# Altium PCB PCB1.PcbDoc (part 2 of 3)
Units mil, origin at the board's own origin, x right, y up, seen from the top; angles counter-clockwise.
Board outline 2125.99 x 1496.06 mil, 6 copper layers (Layer 1, Layer 2, Layer 3, Layer 4, Layer 5, Layer 6), stack 32.112 mil thick; 147 components, 103 nets, 596 pads, 900 vias.
Unrouted connection lines stored in the file: 81.
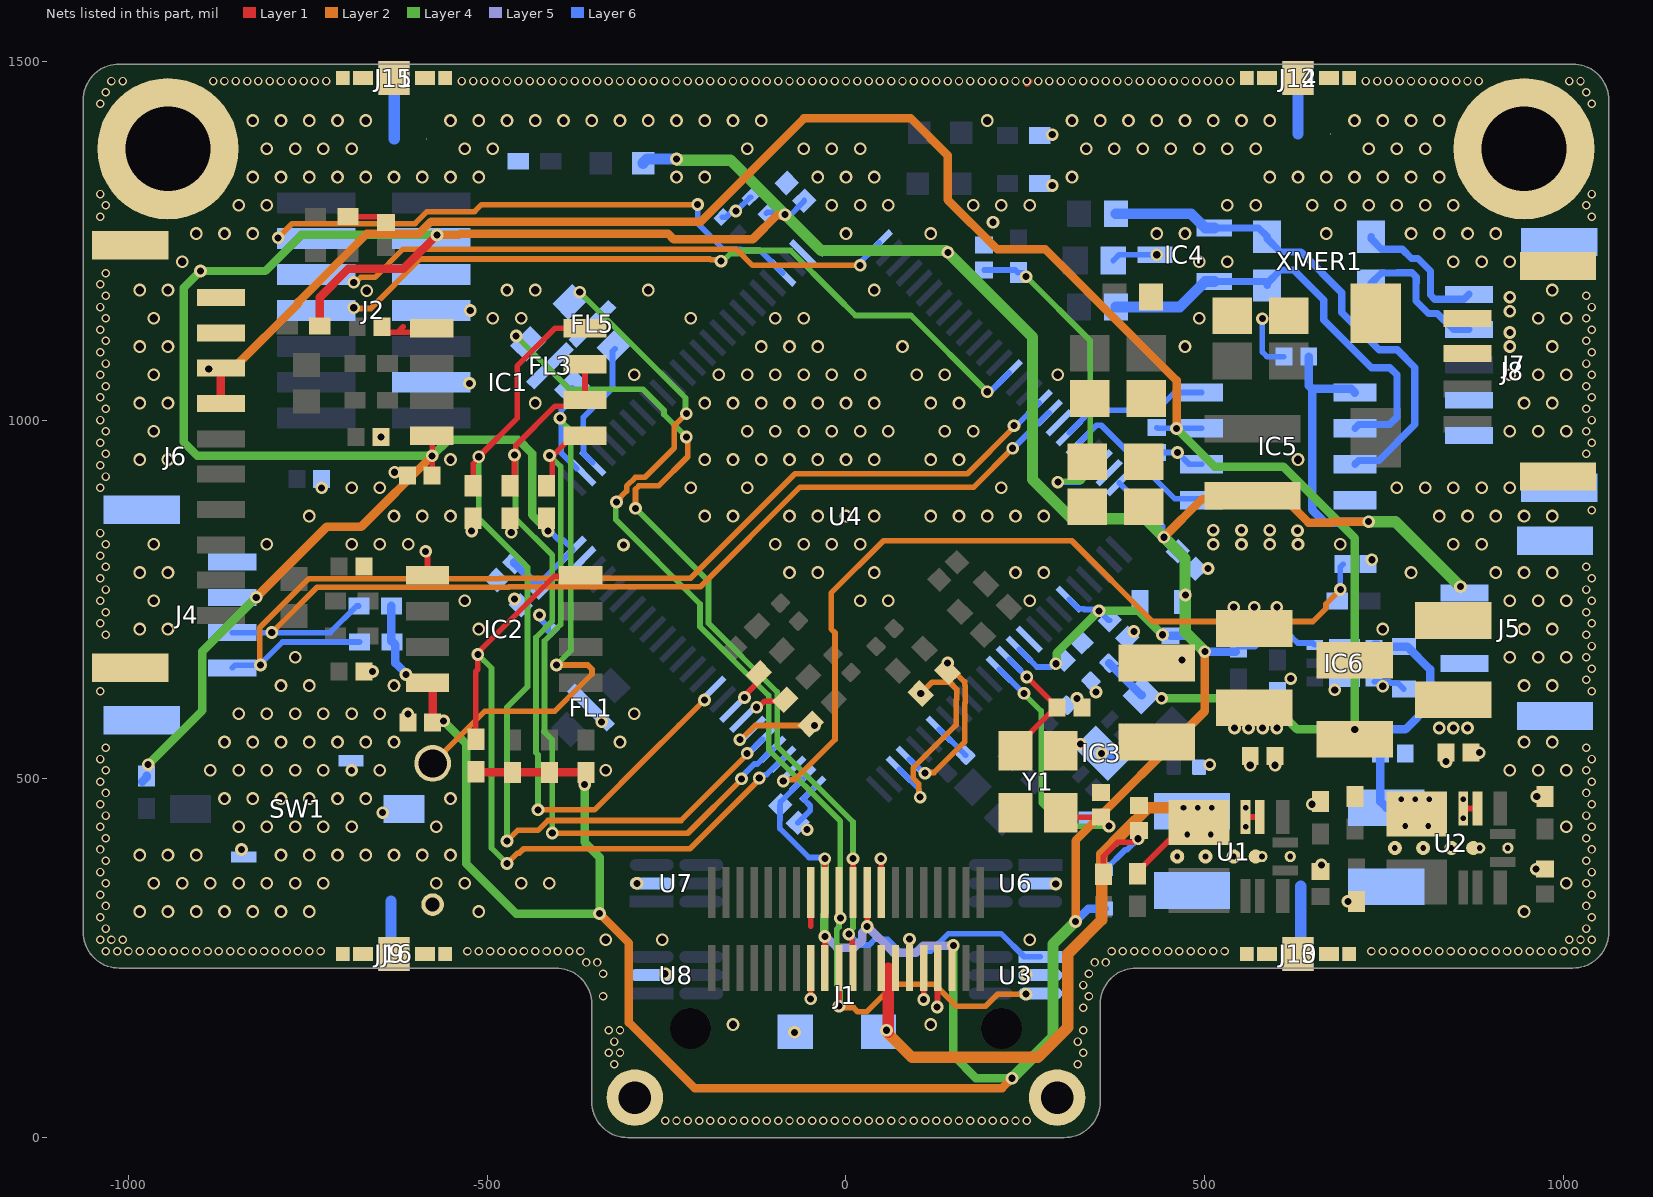
[diagram p6: the nets of this part, all layers, seen from the top]

## Part data (continued)
R14 R17: library part RQ73C1E10K5BTD, "RES 10.5 KOHMS 0.1% 1/16W 0402", Device Package="0402 (1005 Metric)", Manufacturer="TE Connectivity Passive Product", Operating Temperature="-55°C ~ 155°C", Part Number=C132157, Power (Watts)="0.063W, 1/16W", Ratings=AEC-Q200, Supplier Device Package=0402, Supplier Part Number 1=A139950CT-ND, Temperature Coefficient=±10ppm/°C, Tolerance=±0.1%, componentlink1description=Datasheet, componentlink1url=//media.digikey.com/pdf/Data%20Sheets/Tyco%20Electronics%20P%20B%20PDFs/RQ73-0618%20v2.pdf, ComponentLink2Description="DigiKey Link", ComponentLink2URL=https://www.digikey.com/en/products/detail/te-connectivity-passive-product/RQ73C1E10K5BTD/9479898, Composition="Thin Film", Features="Anti-Sulfur, Automotive AEC-Q200", Height - Seated (Max)="0.016\" (0.40mm)", lastupdated="2/9/2024 8:30:17 PM", Lifecycle Status=Active, Minimum Order=1, Number of Terminations=2, Package / Case="0402 (1005 Metric)", packaging=TapeAndReel, Part Status=Active, partid=4287, price=0.27, Resistance=12.1k, Series=RQ73, Size / Dimension="0.039\" L x 0.020\" W (1.00mm x 0.50mm)", Supplier 1=DigiKey
R15 R18: library part RQ73C1E10K5BTD, "RES 10.5 KOHMS 0.1% 1/16W 0402", Device Package="0402 (1005 Metric)", Manufacturer="TE Connectivity Passive Product", Operating Temperature="-55°C ~ 155°C", Part Number=C25744, Power (Watts)="0.063W, 1/16W", Ratings=AEC-Q200, Supplier Device Package=0402, Supplier Part Number 1=A139950CT-ND, Temperature Coefficient=±10ppm/°C, Tolerance=±0.1%, componentlink1description=Datasheet, componentlink1url=//media.digikey.com/pdf/Data%20Sheets/Tyco%20Electronics%20P%20B%20PDFs/RQ73-0618%20v2.pdf, ComponentLink2Description="DigiKey Link", ComponentLink2URL=https://www.digikey.com/en/products/detail/te-connectivity-passive-product/RQ73C1E10K5BTD/9479898, Composition="Thin Film", Features="Anti-Sulfur, Automotive AEC-Q200", Height - Seated (Max)="0.016\" (0.40mm)", lastupdated="2/9/2024 8:30:17 PM", Lifecycle Status=Active, Minimum Order=1, Number of Terminations=2, Package / Case="0402 (1005 Metric)", packaging=TapeAndReel, Part Status=Active, partid=4287, price=0.27, Resistance=10k, Series=RQ73, Size / Dimension="0.039\" L x 0.020\" W (1.00mm x 0.50mm)", Supplier 1=DigiKey
R19: library part WR04X1002FTL, "RES 10K OHM 1% 1/16W 0402", Device Package="0402 (1005 Metric)", Manufacturer="Walsin Technology Corporation", Operating Temperature="-55°C ~ 155°C", Power (Watts)="0.063W, 1/16W", Supplier Device Package=0402, Supplier Part Number 1=1292-WR04X1002FTLCT-ND, Temperature Coefficient=±100ppm/°C, Tolerance=±1%, componentlink1description=Datasheet, componentlink1url=https://www.passivecomponent.com/wp-content/uploads/chipR/ASC_WR.pdf, ComponentLink2Description="DigiKey Link", ComponentLink2URL=https://www.digikey.com/en/products/detail/walsin-technology-corporation/WR04X1002FTL/13241339, Composition="Thick Film", Height - Seated (Max)="0.016\" (0.40mm)", lastupdated="2/9/2024 8:28:51 PM", Lifecycle Status=Active, Minimum Order=1, Number of Terminations=2, Package / Case="0402 (1005 Metric)", packaging=CutTape, Part Number=WR04X1002FTL, Part Status=Active, partid=67325, price=0.01, Resistance="10 kOhms", Series=WR, Size / Dimension="0.039\" L x 0.020\" W (1.00mm x 0.50mm)", Supplier 1=DigiKey
R20 R21 R22: library part "WR04X102 JTL", "RES 1K OHM 5% 1/16W 0402", Device Package="0402 (1005 Metric)", Manufacturer="Walsin Technology Corporation", Operating Temperature="-55°C ~ 155°C", Power (Watts)="0.063W, 1/16W", Supplier Device Package=0402, Supplier Part Number 1=1292-WR04X102JTLCT-ND, Temperature Coefficient=±100ppm/°C, Tolerance=±5%, componentlink1description=Datasheet, componentlink1url=https://www.passivecomponent.com/wp-content/uploads/chipR/ASC_WR.pdf, ComponentLink2Description="DigiKey Link", ComponentLink2URL=https://www.digikey.com/en/products/detail/walsin-technology-corporation/WR04X102-JTL/13238927, Composition="Thick Film", Height - Seated (Max)="0.016\" (0.40mm)", lastupdated="2/9/2024 8:28:50 PM", Lifecycle Status=Active, Minimum Order=1, Number of Terminations=2, Package / Case="0402 (1005 Metric)", packaging=CutTape, Part Number="WR04X102 JTL", Part Status=Active, partid=68140, price=0.01, Resistance="1 kOhms", Series=WR, Size / Dimension="0.039\" L x 0.020\" W (1.00mm x 0.50mm)", Supplier 1=DigiKey
R23 R24 R30 R31 R32 R33: library part WR04X1500FTL, "RES 150 OHM 1% 1/16W 0402", Device Package="0402 (1005 Metric)", Manufacturer="Walsin Technology Corporation", Operating Temperature="-55°C ~ 155°C", Power (Watts)="0.063W, 1/16W", Resistance="150 Ohms", Supplier Device Package=0402, Supplier Part Number 1=1292-WR04X1500FTLCT-ND, Temperature Coefficient=±100ppm/°C, Tolerance=±1%, componentlink1description=Datasheet, componentlink1url=https://www.passivecomponent.com/wp-content/uploads/chipR/ASC_WR.pdf, ComponentLink2Description="DigiKey Link", ComponentLink2URL=https://www.digikey.com/en/products/detail/walsin-technology-corporation/WR04X1500FTL/13238657, Composition="Thick Film", Height - Seated (Max)="0.016\" (0.40mm)", lastupdated="2/9/2024 8:28:55 PM", Lifecycle Status=Active, Minimum Order=1, Number of Terminations=2, Package / Case="0402 (1005 Metric)", packaging=CutTape, Part Number=WR04X1500FTL, Part Status=Active, partid=64765, price=0.01, Series=WR, Size / Dimension="0.039\" L x 0.020\" W (1.00mm x 0.50mm)", Supplier 1=DigiKey
R25 R26: library part RMCF0603JT560R, "RES 560 OHM 5% 1/10W 0603", Device Package="0603 (1608 Metric)", Manufacturer="Stackpole Electronics Inc", Operating Temperature="-55°C ~ 155°C", Power (Watts)="0.1W, 1/10W", Ratings=AEC-Q200, Resistance="560 Ohms", Supplier Device Package=0603, Supplier Part Number 1=RMCF0603JT560RCT-ND, Temperature Coefficient=±200ppm/°C, Tolerance=±5%, componentlink1description=Datasheet, componentlink1url=https://www.seielect.com/catalog/sei-rmcf_rmcp.pdf, ComponentLink2Description="DigiKey Link", ComponentLink2URL=https://www.digikey.com/en/products/detail/stackpole-electronics-inc/RMCF0603JT560R/1712305, Composition="Thick Film", Features="Automotive AEC-Q200", Height - Seated (Max)="0.022\" (0.55mm)", lastupdated="2/9/2024 8:43:32 PM", Lifecycle Status=Active, Minimum Order=1, Number of Terminations=2, Package / Case="0603 (1608 Metric)", packaging=CutTape, Part Number=RMCF0603JT560R, Part Status=Active, partid=5967, price=0.01, Series=RMCF, Size / Dimension="0.061\" L x 0.031\" W (1.55mm x 0.80mm)", Supplier 1=DigiKey
R29 R40 R41 R42: library part WR04X1000FTL, "RES 100 OHM 1% 1/16W 0402", Device Package="0402 (1005 Metric)", Manufacturer="Walsin Technology Corporation", Operating Temperature="-55°C ~ 155°C", Power (Watts)="0.063W, 1/16W", Supplier Device Package=0402, Supplier Part Number 1=1292-WR04X1000FTLCT-ND, Temperature Coefficient=±100ppm/°C, Tolerance=±1%, componentlink1description=Datasheet, componentlink1url=https://www.passivecomponent.com/wp-content/uploads/chipR/ASC_WR.pdf, ComponentLink2Description="DigiKey Link", ComponentLink2URL=https://www.digikey.com/en/products/detail/walsin-technology-corporation/WR04X1000FTL/13241075, Composition="Thick Film", Height - Seated (Max)="0.016\" (0.40mm)", lastupdated="2/9/2024 8:28:55 PM", Lifecycle Status=Active, Minimum Order=1, Number of Terminations=2, Package / Case="0402 (1005 Metric)", packaging=CutTape, Part Number=WR04X1000FTL, Part Status=Active, partid=64787, price=0.01, Resistance="100 Ohms", Series=WR, Size / Dimension="0.039\" L x 0.020\" W (1.00mm x 0.50mm)", Supplier 1=DigiKey
R34 R35: library part WR04X1500FTL, "RES 150 OHM 1% 1/16W 0402", Device Package="0402 (1005 Metric)", Manufacturer="Walsin Technology Corporation", Operating Temperature="-55°C ~ 155°C", Power (Watts)="0.063W, 1/16W", Supplier Device Package=0402, Supplier Part Number 1=1292-WR04X1500FTLCT-ND, Temperature Coefficient=±100ppm/°C, Tolerance=±1%, componentlink1description=Datasheet, componentlink1url=https://www.passivecomponent.com/wp-content/uploads/chipR/ASC_WR.pdf, ComponentLink2Description="DigiKey Link", ComponentLink2URL=https://www.digikey.com/en/products/detail/walsin-technology-corporation/WR04X1500FTL/13238657, Composition="Thick Film", Height - Seated (Max)="0.016\" (0.40mm)", lastupdated="2/9/2024 8:28:55 PM", Lifecycle Status=Active, Minimum Order=1, Number of Terminations=2, Package / Case="0402 (1005 Metric)", packaging=CutTape, Part Number=WR04X1500FTL, Part Status=Active, partid=64765, price=0.01, Resistance="150 Ohms", Series=WR, Size / Dimension="0.039\" L x 0.020\" W (1.00mm x 0.50mm)", Supplier 1=DigiKey
R37 R38 R39 R44: library part "WR04X102 JTL", "RES 1K OHM 5% 1/16W 0402", Device Package="0402 (1005 Metric)", Manufacturer="Walsin Technology Corporation", Operating Temperature="-55°C ~ 155°C", Power (Watts)="0.063W, 1/16W", Resistance="1 kOhms", Supplier Device Package=0402, Supplier Part Number 1=1292-WR04X102JTLCT-ND, Temperature Coefficient=±100ppm/°C, Tolerance=±5%, componentlink1description=Datasheet, componentlink1url=https://www.passivecomponent.com/wp-content/uploads/chipR/ASC_WR.pdf, ComponentLink2Description="DigiKey Link", ComponentLink2URL=https://www.digikey.com/en/products/detail/walsin-technology-corporation/WR04X102-JTL/13238927, Composition="Thick Film", Height - Seated (Max)="0.016\" (0.40mm)", lastupdated="2/9/2024 8:28:50 PM", Lifecycle Status=Active, Minimum Order=1, Number of Terminations=2, Package / Case="0402 (1005 Metric)", packaging=CutTape, Part Number="WR04X102 JTL", Part Status=Active, partid=68140, price=0.01, Series=WR, Size / Dimension="0.039\" L x 0.020\" W (1.00mm x 0.50mm)", Supplier 1=DigiKey
R43: library part SR731JRTTD1R10F, "RES 1.1 OHM 1% 1/5W 0603", Device Package="0603 (1608 Metric)", Manufacturer="KOA Speer Electronics, Inc.", Operating Temperature="-55°C ~ 155°C", Power (Watts)="0.2W, 1/5W", Ratings=AEC-Q200, Supplier Device Package=0603, Supplier Part Number 1=2019-SR731JRTTD1R10FCT-ND, Temperature Coefficient=±200ppm/°C, Tolerance=±1%, componentlink1description=Datasheet, componentlink1url=https://www.koaspeer.com/pdfs/SR73-RT.pdf, ComponentLink2Description="DigiKey Link", ComponentLink2URL=https://www.digikey.com/en/products/detail/koa-speer-electronics-inc/SR731JRTTD1R10F/13426422, Composition="Thick Film", Features="Anti-Sulfur, Automotive AEC-Q200, Current Sense, Moisture Resistant", Height - Seated (Max)="0.022\" (0.55mm)", lastupdated="2/9/2024 8:41:12 PM", Lifecycle Status=Active, Minimum Order=1, Number of Terminations=2, Package / Case="0603 (1608 Metric)", packaging=TapeAndReel, Part Number=SR731JRTTD1R10F, Part Status=Active, partid=67152, price=0.09, Resistance="1.1 Ohms", Series=SR73-RT, Size / Dimension="0.063\" L x 0.031\" W (1.60mm x 0.80mm)", Supplier 1=DigiKey
R?: library part WR04X1000FTL, "RES 100 OHM 1% 1/16W 0402", Device Package="0402 (1005 Metric)", Manufacturer="Walsin Technology Corporation", Operating Temperature="-55°C ~ 155°C", Power (Watts)="0.063W, 1/16W", Resistance="100 Ohms", Supplier Device Package=0402, Supplier Part Number 1=1292-WR04X1000FTLCT-ND, Temperature Coefficient=±100ppm/°C, Tolerance=±1%, componentlink1description=Datasheet, componentlink1url=https://www.passivecomponent.com/wp-content/uploads/chipR/ASC_WR.pdf, ComponentLink2Description="DigiKey Link", ComponentLink2URL=https://www.digikey.com/en/products/detail/walsin-technology-corporation/WR04X1000FTL/13241075, Composition="Thick Film", Height - Seated (Max)="0.016\" (0.40mm)", lastupdated="2/9/2024 8:28:55 PM", Lifecycle Status=Active, Minimum Order=1, Number of Terminations=2, Package / Case="0402 (1005 Metric)", packaging=CutTape, Part Number=WR04X1000FTL, Part Status=Active, partid=64787, price=0.01, Series=WR, Size / Dimension="0.039\" L x 0.020\" W (1.00mm x 0.50mm)", Supplier 1=DigiKey
SW1: library part CMP-10040-000025-1, "TACT 6.0 X 3.5, 2.5 MM H, 250GF,"
U1 U2: "No Description Available", Mfr_Name="Texas Instruments", RefDes=RefDes, Type=TYPE
U3 U6 U7 U8: library part CMP-14432-000006-1, "TVS DIODE 3.3VWM 12VC 6TSSOP", RoHS Compliant=Yes
U4: "No Description Available", Mfr_Name=STMicroelectronics, RefDes=RefDes, Type=Type
XMER1: "No Description Available", Mfr_Name=Coilcraft, RefDes=RefDes, Type=Type
Y1: library part CMP-200220-000002-1, "CRYSTAL 25.0000MHZ 8PF SMD", Frequency=25MHz, Load Capacitance=8pF, Manufacturer=NDK, Package=NX3225SA, Temperature="-40°C to +125°C", Temperature Range High=+125°C, Temperature Range Low=-40°C, Tolerance=15ppm, Automotive=Yes, Automotive Grade="Grade 1", Category=Crys, ComponentLink2Description=Datasheet, ComponentLink2URL=https://www.ndk.com/images/products/catalog/c_NX3225SA-STD-CRS-2_e.pdf, Device Class L1="Passive Components", Device Class L2="Crystals / Oscillators", Device Class L3=Crystals, Digikey Description="CRYSTAL 25.0000MHZ 8PF SMD", Esr=100Ω, Height=0.6mm, Lead Free=Yes, Manufacturer Part Number=NX3225SA-25.000M-STD-CRS-2, Octopart=https://octopart.com/nx3225sa-25.000m-std-crs-2-ndk-51374293, RoHS=TRUE, Series=NX3225SA

## Free pads (board coordinates)
  round 196.85 hole 118.11: 2(-944.88,1377.95) 2(944.88,1377.95)

## Via types
v1: diameter 17.72, hole 11.81, Layer 1 to Layer 6, tented both sides, 337 vias
v2: diameter 11.81, hole 7.87, Layer 1 to Layer 6, tented both sides, 319 vias
v3: diameter 17.72, hole 9.84, Layer 1 to Layer 6, tented both sides, 244 vias

## Nets (pads, with @x,y where several pads share a name; then routed paths per layer and width w, separated by ;. In a path a pad name is that pad's centre, name@x,y a point inside that pad or via, vN(x,y) a via of type N, cw(c..) or ccw(c..) an arc to the next point about the centre after c; other vN are vias at no path point)
3V: C2.2 C5.2 C19.2 C21.2 C22.2 C23.2 C26.2 C27.2 C28.2 C29.2 C30.2 C31.2 C38.2 D6.1 D7.1 IC1.8 IC2.8 IC5.5 IC6.6 J1.06 J1.17 J1.23 J1.24 J2.3 J4.3 J5.1 R2.2 R8.2 R9.2 R10.2 R11.2 R19.2 R27.2 R28.2 R39.1 R?.2 U4.6 U4.11 U4.27 U4.50 U4.75 U4.100 | length 9082.8
  Layer 1 w7.87: IC1.8@-577.26,977.92 -576.73,977.39 v3(-576.73,950.08) C2.2@-576.73,922.77 ; J1.24@-29.53,236.22 v3(-29.53,280.12) ; J1.23@-29.53,341.54 v3(-29.53,388.78) ; v3(29.53,294.29) J1.17@29.53,341.54
  Layer 1 w11.81: R?.2@-733.42,1131.15 -733.42,1170.98 -693.77,1210.63 -617.13,1210.63 v3(-569.88,1257.87) ; IC2.8@-583.15,633.66 -576.01,626.53 -576.01,577.7 -581.92,571.8 C5.2@-582.09,571.8 ; R11.2@-515.75,509.84 -514.76,508.86 R10.2@-464.57,508.86 R9.2@-413.39,508.86 R8.2@-362.2,508.86
  Layer 4 w11.81: v3(-972.44,519.69) -896.96,595.17 -896.96,677.85 v3(-821.85,752.95) ; v3(-899.61,1207.68) -923.23,1184.06 -923.23,969.49 -903.82,950.08 v3(-576.73,950.08) -554.36,972.44 -456.65,972.44 -437.55,953.34 -437.55,867.67 v3(-415.35,845.47) ; v3@-898.62,1208.51 -897.79,1207.68 -809.06,1207.68 -758.86,1257.87 v3(-569.88,1257.87) ; v3(-613.17,645.47) v3@-613.17,646.54 ; v3(-561.02,580.71) -529.53,549.21 -529.53,381.89 -459.83,312.19 v3(-343.5,312.19) -343.5,390.63 -364.17,411.3 v3(-364.17,492.13) ; v3(-29.53,280.12) -30.28,280.87 -30.28,296.23 -30.64,296.58 -30.64,311.26 -29.53,312.37 v3@-29.53,387.8 ; v3(149.53,267.56) 149.61,267.48 149.61,114.17 181.1,82.68 v3(231.3,82.68) ; 287.4,268.7 v3(319.88,301.18) ; v3(292.38,660.31) 293.51,661.44 293.51,675.14 v3(352.49,734.12) 407.61,734.12 v3(440.94,700.79)
  Layer 4 w15.75: v3(-236.22,1363.66) -234.77,1362.2 -160.94,1362.2 v3(-84.94,1286.21) -34.96,1236.22 139.39,1236.22 259.84,1115.77 259.84,917.32 314.96,862.2 417.32,862.2 v3(442.91,836.61) 472.53,807 472.53,756.41 v3(472.91,756.03) 472.91,704.26 v3(500,677.17) ; v3(231.3,82.68) 288.39,139.76 288.39,269.69 v3(319.88,301.18) ; v3(728.35,858.27) 765.75,858.27 v3(856.3,767.72)
  Layer 2 w11.81: v3(-821.85,752.95) -723.55,851.25 -675.56,851.25 v3(-576.73,950.08) ; v3(-569.88,1257.87) -539.37,1257.87 -537.4,1259.84 -248.03,1259.84 -240.16,1251.97 -129.92,1251.97 -96.36,1285.53 -85.62,1285.53 v3(-84.94,1286.21) ; v3(-343.5,312.19) -302.47,271.16 -302.47,160.29 -211.08,68.9 217.52,68.9 v3(231.3,82.68) ; v3(319.88,301.18) 319.88,413.98 500,594.1 v3(500,677.17) ; v3(442.91,836.61) 496.06,889.76 611.67,889.76 644.42,857.02 677.08,857.02 678.33,858.27 v3(728.35,858.27)
  Layer 5 w11.81: v3(-29.53,280.12) -27.93,280.12 -12.58,264.76 11.68,264.76 22.64,275.72 22.64,285.8 29.53,292.69 v3(29.53,294.29) 65.95,257.87 97.72,257.87 107.4,267.56 v3(149.53,267.56)
  Layer 6 w7.87: C29.2@-428.7,766.19 -428.7,771.51 U4.50@-380.58,819.63 -393.49,832.54 -399.76,832.54 -412.69,845.47 v3(-415.35,845.47) ; C23.2@-110.91,1288.08 -109.52,1289.47 -88.2,1289.47 v3@-81.06,1282.33 ; U4.27@-60.43,499.48 -60.43,498.69 -91.51,467.61 C31.2@-91.51,463.19 -92.07,462.63 -92.07,442.83 -92.15,442.75 -92.15,430.77 -51.66,390.29 -31.03,390.29 v3(-29.53,388.78) ; C26.2@-58.11,1305.83 -58.11,1305.28 v3@-81.06,1282.33 ; U4.75@-46.51,1246.72 -73.92,1274.13 -73.92,1275.18 v3@-81.06,1282.33 ; U4.11@241.39,680.43 266,655.82 285.23,655.82 289.71,660.31 v3(292.38,660.31) ; U4.6@310.98,750.03 324.06,736.95 331.24,736.95 332.19,736 350.6,736 365.69,720.91 C21.2@367.67,720.91 ; U4.100@380.58,912.65 441.41,851.83 441.41,838.12 v3(442.91,836.61) ; R39.1@547.24,684.06 569.88,684.06 583.66,697.83 621.06,697.83 629.64,689.26 650.64,689.26 IC6.6@653.26,686.65
  Layer 6 w11.81: R19.2@-980.56,496.05 -974.65,501.95 R19.2@-974.65,504 ; R28.2@-633.56,740.85 -633.56,691.63 R27.2@-632.66,690.73 ; R27.2@-631.68,690.73 -627.84,686.89 -627.84,661.21 -613.17,646.54 v3(-613.17,645.47) ; C30.2@-462.18,801.56 -462.18,800.62 -428.7,767.13 C29.2@-428.7,766.19 ; v3@320.64,301.93 337.87,319.17 360.45,319.17 D6.1@360.51,319.22 ; C28.2@452.44,699.38 477.79,699.38 v3(500,677.17) R39.1@543.31,677.17 ; C38.2@644.91,1088.35 644.91,1048.01 649.61,1043.31 ; IC5.5@709.14,1038.32 704.15,1043.31 649.61,1043.31 ; v3(728.35,858.27) 687.38,858.27 686.13,857.02 667.61,857.02 649.61,875.02 649.61,1043.31
  Layer 6 w15.75: D7.1@-282.78,1358.02 -277.15,1363.66 v3(-236.22,1363.66) ; v3(442.91,836.61) C22.2@462.6,816.93
  other v3: 141.95,1233.66
12V: C9.2 C10.2 C11.2 D5.1 J1.14 J1.16 R13.1 U1.4 | length 934.2
  Layer 1 w7.87: J1.16@49.21,236.22 59.06,236.22 J1.14@68.9,236.22 ; R13.1@406.52,367.71 406.52,370.66 455.98,420.12 473.53,420.12 U1.4@475.79,422.38
  Layer 1 w15.75: v3(56.41,149.61) 59.06,146.96 59.06,236.22
  Layer 2 w15.75: v3(56.41,149.61) 56.41,147.33 91.93,111.81 267.32,111.81 309.06,153.54 309.06,255.91 356.3,303.15 356.3,394.72 387.07,425.49 421.32,459.78 U1.4@470.28,459.78 ; U1.4@470.47,459.65 470.61,459.78 U1.4@489.96,459.78 U1.4@509.65,459.78
+5V: C15.2 C16.2 C17.2 C20.2 C36.2 C39.2 FB1.1 IC5.3 IC6.1 IC6.2 J6.3 J6.4 R16.1 U2.4 | length 3154.9
  Layer 1 w11.81: J6.4@-871.32,1022.98 J6.3@-871.32,1072.2
  Layer 4 w11.81: v3@440.94,612.2 585.5,612.2 628.78,568.93 v3(708.99,568.93) 708.99,835.43 609.38,935.04 513.78,935.04 v3(460.63,988.19)
  Layer 2 w11.81: v3(-888.06,1070.87) -854.59,1070.87 -763.08,1162.38 -763.08,1164.54 -667.77,1259.84 -594.94,1259.84 -578.2,1276.57 -202.31,1276.57 -58.61,1420.28 90.42,1420.28 141.82,1368.88 141.82,1306.84 210.47,1238.19 277.56,1238.19 460.63,1055.12 v3(460.63,988.19)
  Layer 6 w7.87: C39.2@433.07,989.37 434.12,988.32 IC5.3@495.6,988.32 ; IC6.2@735.93,661.06 IC6.1@735.93,686.65
  Layer 6 w11.81: C36.2@366.51,661.22 410.48,617.25 411.5,617.25 FB1.1@412.19,616.56 ; v3(708.99,568.93) 779.56,568.93 813.98,603.35 813.98,652.55 782.23,684.3 C20.2@777.3,684.3 743.2,684.3 740.86,686.65 IC6.1@735.93,686.65 ; C15.2@744.72,535.4 744.72,468.18 C16.2@753.07,459.84
  other v3: 439.96,612.2
+24V: C7.2 C8.2 C13.2 C14.2 C46.2 C47.2 C48.2 C49.2 L1.1 U1.2 U1.3 U2.2 U2.3 | length 39.4
  Layer 1 w7.87: U1.3@556.89,446.79 U1.2@576.58,446.79 ; U2.3@860.24,458.66 U2.2@879.92,458.66
  other v3: 563.39,518.9 836.2,523.85 541.34,570.87 561.02,570.87 580.71,570.87 600.39,570.87 826.77,570.87 846.46,570.87 866.14,570.87 511.81,826.77 551.18,826.77 590.55,826.77 629.92,826.77 511.81,846.46 551.18,846.46 590.55,846.46 629.14,845.84
ADC0: C40.2 R29.1 U4.28 | length 1148.1
  Layer 2 w7.87: v3(-87.46,496.91) -85.58,498.79 -71.12,498.79 -15.28,554.63 -15.28,703.55 -20.67,708.94 -20.67,758.86 52.17,831.69 314.56,831.69 427.04,719.22 650.65,719.22 668.87,737.44 668.87,743.68 v3(688.98,763.78)
  Layer 6 w7.87: v3(688.98,763.78) 688.98,795.28 C40.2@692.91,799.21
CAN_N: J7.2 XMER1.3 | length 198.2
  Layer 6 w10: XMER1.3@731.95,1187.53 731.95,1190.53 746.45,1205.03 767.52,1205.03 767.77,1205.28 788.84,1205.28 794.7,1199.42 794.7,1191.14 794.37,1190.81 794.37,1165.96 811.95,1148.39 824.06,1148.39 846.46,1125.98 J7.2@868.11,1125.98
CAN_P: J7.1 XMER1.2 | length 196.9
  Layer 6 w10: XMER1.2@731.95,1255.53 731.95,1252.53 746.45,1238.03 775.3,1238.03 788.05,1225.28 797.13,1225.28 814.7,1207.71 814.7,1182.85 814.37,1182.53 814.37,1174.24 820.23,1168.39 861.3,1168.39 J7.1@868.11,1175.2
CAN_S_N: IC4.2 IC5.6 R26.1 XMER1.4 | length 618.9
  Layer 6 w10: IC4.2@513.41,1192.91 584.56,1192.91 XMER1.4@586.95,1190.53 ; XMER1.4@586.95,1187.53 XMER1.4@586.95,1190.53 ; IC5.6@709.14,988.32 714.43,993.62 757.4,993.62 767.72,1003.94 767.72,1062.99 757.87,1072.83 732.37,1072.83 665.86,1139.34 665.86,1167.11 623.95,1209.03 605.45,1209.03 XMER1.4@586.95,1190.53
  Layer 6 w15: R26.1@375.98,1157.48 465.18,1157.48 500.61,1192.91 IC4.2@513.41,1192.91
CAN_S_P: IC4.1 IC5.7 R25.2 XMER1.1 | length 709.8
  Layer 6 w10: IC4.1@513.41,1267.72 574.95,1267.72 586.95,1255.72 586.95,1252.53 605.45,1234.03 634.3,1234.03 690.86,1177.47 690.86,1149.7 742.73,1097.83 768.23,1097.83 792.72,1073.35 792.72,993.58 742.75,943.62 714.43,943.62 IC5.7@709.14,938.32
  Layer 6 w15: R25.2@375.98,1287.4 480.92,1287.4 500.61,1267.72 IC4.1@513.41,1267.72
CHASSIS: J1.S1 J1.S2 J4.5 J4.6 J5.4 J5.5 J6.MP1 J6.MP2 J7.6 J7.7 J8.5 J8.6 J9.1 J10.1 J11.1 J12.1 J13.1 J14.1 J15.1 J16.1 JP1.1 JP2.1 JP3.1 JP4.1 pad.2 | length 339.4
  Layer 1 w7.87: v2@251.97,1468.02 v2@255.91,1471.96
  Layer 6 w15.75: JP3.1@-633.99,329.43 -633.99,259.97 J9.1@-629.92,255.91 ; J11.1@-629.92,1476.38 -629.46,1475.92 JP2.1@-629.46,1391.69 ; J10.1@629.92,255.91 633.66,259.65 JP1.1@633.66,350.33 ; J12.1@629.92,1476.38 629.98,1476.32 JP4.1@629.98,1398.62
  other v2: -251.98,23.62 -236.23,23.62 -220.48,23.62 -204.73,23.62 -188.98,23.62 -173.24,23.62 -157.49,23.62 -141.74,23.62 -125.99,23.62 -110.24,23.62 -94.5,23.62 -78.75,23.62 -63,23.62 -47.25,23.62 -31.5,23.62 -15.76,23.62 -0.01,23.62 15.74,23.62 31.49,23.62 47.24,23.62 62.98,23.62 78.73,23.62 94.48,23.62 110.23,23.62 125.98,23.62 141.72,23.62 157.47,23.62 173.22,23.62 188.97,23.62 204.72,23.62 220.46,23.62 236.21,23.62 251.96,23.62 -322.84,102.36 322.83,102.36 -330.72,118.11 -314.97,118.11 330.7,118.11 -322.84,133.86 322.83,133.86 -330.72,149.6 -314.97,149.6 330.7,149.6 330.7,181.1 -338.59,196.85 338.57,196.85 330.7,212.6 -338.59,228.34 338.57,228.34 -362.21,244.09 -346.46,244.09 346.45,244.09 362.2,244.09 -1031.5,259.84 -1015.75,259.84 -1000.01,259.84 -984.26,259.84 -968.51,259.84 -952.76,259.84 -937.01,259.84 -921.27,259.84 -905.52,259.84 -889.77,259.84 -874.02,259.84 -858.27,259.84 -842.53,259.84 -826.78,259.84 -811.03,259.84 -795.28,259.84 -779.53,259.84 -763.79,259.84 -748.04,259.84 -732.29,259.84 -527.57,259.84 -511.82,259.84 -496.07,259.84 -480.32,259.84 -464.57,259.84 -448.83,259.84 -433.08,259.84 -417.33,259.84 -401.58,259.84 -385.83,259.84 -370.09,259.84 370.07,259.84 385.82,259.84 401.57,259.84 417.31,259.84 433.06,259.84 448.81,259.84 464.56,259.84 480.31,259.84 496.05,259.84 511.8,259.84 527.55,259.84 732.27,259.84 748.02,259.84 763.77,259.84 779.52,259.84 795.27,259.84 811.01,259.84 826.76,259.84 842.51,259.84 858.26,259.84 874.01,259.84 889.75,259.84 905.5,259.84 921.25,259.84 937,259.84 952.75,259.84 968.49,259.84 984.24,259.84 999.99,259.84 1015.74,259.84 1031.49,259.84 -1039.38,275.59 -1023.63,275.59 -1007.88,275.59 1007.86,275.59 1023.61,275.59 1039.36,275.59 -1031.5,291.34 1031.49,291.34 -1039.38,307.08 1039.36,307.08 -1031.5,322.83 1031.49,322.83 -1039.38,338.58 1039.36,338.58 -1031.5,354.33 1031.49,354.33 -1039.38,370.08 1039.36,370.08 -1031.5,385.82 1031.49,385.82 -1039.38,401.57 1039.36,401.57 -1031.5,417.32 1031.49,417.32 -1039.38,433.07 1039.36,433.07 -1031.5,448.82 1031.49,448.82 -1039.38,464.56 1039.36,464.56 -1031.5,480.31 1031.49,480.31 -1039.38,496.06 1039.36,496.06 -1031.5,511.81 1031.49,511.81 -1039.38,527.56 1039.36,527.56 -1031.5,543.3 1031.49,543.3 -1039.38,622.04 1039.36,622.04 1031.49,637.79 1039.36,653.54 1031.49,669.29 1039.36,685.04 -1031.5,700.78 1031.49,700.78 -1039.38,716.53 1039.36,716.53 -1031.5,732.28 1031.49,732.28 -1039.38,748.03 1039.36,748.03 -1031.5,763.78 1031.49,763.78 -1039.38,779.52 1039.36,779.52 -1031.5,795.27 1031.49,795.27 -1039.38,811.02 -1031.5,826.77 -1039.38,842.52 1039.36,874.01 -1039.38,905.51 -1031.5,921.26 -1039.38,937 -1031.5,952.75 1031.49,952.75 -1039.38,968.5 1039.36,968.5 -1031.5,984.25 1031.49,984.25 -1039.38,1000 1039.36,1000 -1031.5,1015.74 1031.49,1015.74 -1039.38,1031.49 1039.36,1031.49 -1031.5,1047.24 1031.49,1047.24 -1039.38,1062.99 1039.36,1062.99 -1031.5,1078.74 1031.49,1078.74 -1039.38,1094.48 1039.36,1094.48 -1031.5,1110.23 1031.49,1110.23 -1039.38,1125.98 1039.36,1125.98 -1031.5,1141.73 1031.49,1141.73 -1039.38,1157.48 1039.36,1157.48 -1031.5,1173.22 1031.49,1173.22 -1039.38,1188.97 -1031.5,1204.72 -1039.38,1283.46 1039.36,1283.46 -1031.5,1299.21 1031.49,1299.21 -1039.38,1314.96 1039.36,1314.96 -1039.38,1440.94 1039.36,1440.94 -1031.5,1456.69 1031.49,1456.69 -1023.63,1472.44 -1007.88,1472.44 -881.9,1472.44 -866.15,1472.44 -850.4,1472.44 -834.65,1472.44 -818.9,1472.44 -803.16,1472.44 -787.41,1472.44 -771.66,1472.44 -755.91,1472.44 -740.16,1472.44 -724.42,1472.44 -535.44,1472.44 -519.69,1472.44 -503.94,1472.44 -488.2,1472.44 -472.45,1472.44 -456.7,1472.44 -440.95,1472.44 -425.2,1472.44 -409.46,1472.44 -393.71,1472.44 -377.96,1472.44 -362.21,1472.44 -346.46,1472.44 -330.72,1472.44 -314.97,1472.44 -299.22,1472.44 -283.47,1472.44 -267.72,1472.44 -251.98,1472.44 -236.23,1472.44 -220.48,1472.44 -204.73,1472.44 -188.98,1472.44 -173.24,1472.44 -157.49,1472.44 -141.74,1472.44 -125.99,1472.44 -110.24,1472.44 -94.5,1472.44 -78.75,1472.44 -63,1472.44 -47.25,1472.44 -31.5,1472.44 -15.76,1472.44 -0.01,1472.44 15.74,1472.44 31.49,1472.44 47.24,1472.44 62.98,1472.44 78.73,1472.44 94.48,1472.44 110.23,1472.44 125.98,1472.44 141.72,1472.44 157.47,1472.44 173.22,1472.44 188.97,1472.44 204.72,1472.44 220.46,1472.44 236.21,1472.44 251.96,1472.44 267.71,1472.44 283.46,1472.44 299.2,1472.44 314.95,1472.44 330.7,1472.44 346.45,1472.44 362.2,1472.44 377.94,1472.44 393.69,1472.44 409.44,1472.44 425.19,1472.44 440.94,1472.44 456.68,1472.44 472.43,1472.44 488.18,1472.44 503.93,1472.44 519.68,1472.44 535.42,1472.44 724.4,1472.44 740.15,1472.44 755.9,1472.44 771.64,1472.44 787.39,1472.44 803.14,1472.44 818.89,1472.44 834.64,1472.44 850.38,1472.44 866.13,1472.44 881.88,1472.44 1007.86,1472.44 1023.61,1472.44
DAT: FL5.3 J1.21 J1.22 U3.3 | length 1629
  Layer 1 w7.87: v3(-9.84,183.07) J1.22@-9.84,236.22 ; J1.21@-9.84,341.54 -9.84,307.99 v3(-7.95,306.1)
  Layer 4 w7.87: v3@-371.06,1177.17 -370.08,1177.17 -223.59,1030.67 -223.59,1010 v3(-222.44,1008.86) ; v3(-319.88,885.83) -320.87,884.84 -320.87,861.22 -203.47,743.83 -203.47,711.97 -107.8,616.3 -107.8,540.91 -7.95,441.06 v3(-7.95,306.1) ; v3(-9.84,183.07) -7.96,184.95 -7.96,201.76 -7.87,201.85 -7.87,208.37 -12.8,213.29 -12.8,290.4 -9.84,293.35 -9.84,304.14 v3@-7.91,306.06
  Layer 2 w7.87: v3(-319.88,885.83) -319.88,886.8 -305.75,900.93 -305.75,907.8 -293.51,920.04 -280.47,920.04 -239.17,961.34 -239.17,992.13 v3(-222.44,1008.86) ; v3(-9.84,183.07) -7.96,181.19 10.45,181.19 16.44,175.2 28.54,175.2 66.93,213.58 123.65,213.58 154.16,183.07 194.49,183.07 211.22,199.8 v3@251.97,199.8
  other v3: 250.98,199.8 -371.06,1178.15
DEBUG_SWCLK: J2.6 U4.76 | length 776.5
  Layer 2 w7.87: v3(-686.02,1191.93) -683.36,1191.93 -676.47,1198.82 -656.5,1198.82 -617.13,1238.19 -152.93,1238.19 -130.29,1215.55 v3(19.69,1215.55)
  Layer 6 w7.87: v3(19.69,1215.55) 21.57,1217.43 21.57,1221.78 U4.76@46.51,1246.72
DEBUG_SWDIO: J2.4 U4.72 | length 778
  Layer 2 w7.87: v3@-791.87,1253.4 -771.65,1273.62 -600.64,1273.62 -583.91,1290.35 -517.72,1290.35 -507.87,1300.2 v3(-206.69,1300.2)
  Layer 6 w7.87: v3(-206.69,1300.2) -206.69,1273.62 -171.26,1238.19 -146.38,1238.19 -144.41,1236.22 -119.53,1236.22 U4.72@-88.27,1204.96
  other v3: -791.34,1253.94
DEBUG_SWO: J2.8 U4.89 | length 1042.2
  Layer 4 w7.87: v3(-174.21,1221.46) -171.55,1221.46 -161.12,1231.89 -149.84,1231.89 -145.51,1236.22 -77.39,1236.22 -15.75,1174.58 13.16,1145.67 90.55,1145.67 v3(196.85,1039.37)
  Layer 2 w7.87: v3(-686.02,1156.5) -685.04,1155.51 -662.4,1155.51 -593.5,1224.41 -189.95,1224.41 -188.88,1223.34 -176.1,1223.34 v3(-174.21,1221.46)
  Layer 6 w7.87: v3(196.85,1039.37) 201.07,1039.37 U4.89@227.47,1065.77
ENC_CLB_CLK: IC2.4 R11.1 U4.29 | length 1063.2
  Layer 1 w7.87: R11.1@-515.75,555.12 -515.75,649.61 -513.11,652.24 v3(-513.11,673.23) ; v3@-514.43,674.55 -513.93,674.55 -511.61,676.87 -511.61,677.37 -406.82,782.15 -371.12,782.15 IC2.4@-369.61,783.66
  Layer 4 w7.87: v3(-513.11,673.23) -494.09,654.21 -494.09,403.54 v3(-472.44,381.89)
  Layer 2 w7.87: v3(-472.44,381.89) -457.91,396.42 -455.32,396.42 -449.19,402.56 -217.47,402.56 -120.93,499.11 v3(-120.93,500.98)
  Layer 6 w7.87: v3(-120.93,500.98) -118.26,500.98 -113.41,505.84 -110.55,505.84 -89.07,527.32 U4.29@-88.27,527.32
ENC_DAT_EN: IC1.2 IC1.3 R4.2 U4.36 | length 1052.7
  Layer 1 w7.87: R4.2@-468.5,908.46 -462.02,914.95 v3(-462.02,951.36) ; v3@-460.63,951.36 -460.14,951.86 -460.14,964.6 -405.41,1019.33 -389.8,1019.33 -381.21,1027.92 IC1.2@-363.71,1027.92 IC1.3@-363.71,1077.92
  Layer 4 w7.87: v3(-462.02,951.36) -460.63,949.97 -460.63,862.82 -409.45,811.64 -409.45,719.68 -432.01,697.12 -432.01,536.36 -429.13,533.48 v3@-429.13,457.85
  Layer 2 w7.87: v3(-429.13,456.69) -350.39,456.69 -278.5,528.59 -232.91,574.17 v3(-197.34,609.74)
ENC_SPI_MISO: IC1.1 R2.1 U4.30 | length 1011.3
  Layer 1 w7.87: R2.1@-417.32,908.46 -409.45,916.34 v3@-409.45,947.28 ; v3(-413.1,950.67) -412.84,950.67 v3@-409.45,947.28 ; IC1.1@-363.71,977.92 -380.94,977.92 -407.06,951.8 -407.06,949.67 v3@-409.45,947.28
  Layer 4 w7.87: v3(-413.1,950.67) -397.64,935.21 -397.64,714.79 -420.2,692.23 -420.2,564.93 -409.45,554.18 -409.45,424.44 v3(-409.37,424.36)
  Layer 2 w7.87: v3(-409.37,424.36) -409.22,424.21 -220.47,424.21 -145.69,499 v3(-145.69,500.02)
  Layer 6 w7.87: v3(-145.69,500.02) -143.81,501.9 -143.81,504.74 -127.86,520.69 -123.54,520.69 -102.99,541.24 U4.30@-102.19,541.24
ENC_SPI_MOSI: IC1.4 R5.2 U4.31 | length 1299.9
  Layer 1 w7.87: R5.2@-519.68,908.46 -519.68,938.81 -511.81,946.69 v3(-511.81,948.82) -458.33,1002.3 -458.33,1075.13 -405.54,1127.92 IC1.4@-363.71,1127.92
  Layer 4 w7.87: v3(-511.81,948.82) -511.81,862.82 -443.9,794.91 -443.9,628.34 -472.44,599.8 v3(-472.44,413.38)
  Layer 2 w7.87: v3(-472.44,413.38) -457.68,428.15 -429.25,428.15 -415.47,441.93 -229.83,441.93 -137.8,533.96 v3(-137.8,535.43)
  Layer 6 w7.87: v3(-137.8,535.43) -136.63,535.43 -116.91,555.16 U4.31@-116.11,555.16
F\A\U\L\T\: C45.2 R42.1 U4.98 | length 491.5
  Layer 4 w7.87: v3(250.98,1199.8) 340.4,1110.39 340.4,927.01 328.28,914.89 296.78,914.89 v3(295.27,913.38)
  Layer 6 w7.87: C45.2@192.57,1208.99 235.89,1208.99 239.66,1205.22 245.57,1205.22 v3(250.98,1199.8) ; v3(295.27,913.38) 325.63,913.38 U4.98@352.74,940.49
FDCAN1_RX: IC5.4 U4.95 | length 207.8
  Layer 6 w7.87: U4.95@310.98,982.25 342.51,1013.78 433.07,1013.78 457.61,1038.32 IC5.4@495.6,1038.32
FDCAN1_TX: IC5.1 U4.96 | length 224
  Layer 6 w7.87: U4.96@324.9,968.33 349.24,992.67 355.76,992.67 458.38,890.05 493.87,890.05 IC5.1@495.6,888.32
GND: C1.1 C2.1 C3.2 C4.1 C5.1 C6.2 C7.1 C8.1 C9.1 C10.1 C11.1 C12.1 C13.1 C14.1 C15.1 C16.1 C17.1 C18.1 C19.1 C20.1 C21.1 C22.1 C23.1 C24.1 C25.1 C26.1 C27.1 C28.1 C29.1 C30.1 C31.1 C32.2 C33.2 C35.1 C36.1 C37.2 C38.1 C39.1 C40.1 C44.1 C45.1 C48.1 C49.1 C50.1 C51.1 C52.1 C53.1 C54.1 D4.2 D5.2 D6.2 FL1.2 FL3.2 FL5.2 IC1.5 IC2.5 IC3.3 IC3.7 IC4.3 IC5.2 IC5.8 IC6.3 IC6.7 J1.08 J1.10 J1.12 J1.15 J1.25 J1.26 J2.5 J2.7 J2.11 J4.4 J5.3 J6.1 J6.2 J7.4 J7.5 J8.3 J8.4 JP1.2 JP2.2 JP3.2 JP4.2 R4.1 R5.1 R14.2 R15.2 R17.2 R18.2 R20.1 R21.1 R22.1 R38.2 R41.1 R43.1 R44.2 SW1.1 SW1.3 SW1.4 TP1.2 U1.10 U2.10 U3.2 U4.10 U4.19 U4.26 U4.49 U4.74 U4.94 U4.99 U6.2 U7.2 U8.2 Y1.2 Y1.4 | length 1108.3
  Layer 1 w7.87: R41.1@-693.9,1283.46 -693.49,1283.05 -649.12,1283.05 C44.1@-641.24,1275.18 ; C3.2@-646.46,1129.92 -638.65,1122.11 -625.06,1122.11 ; -617.13,1130.05 -625.06,1122.11 ; v3(-585.85,816.93) -585.85,814.8 -583.15,812.1 IC2.5@-583.15,783.66 ; IC1.5@-577.26,1127.92 -583.06,1122.11 -625.06,1122.11 ; v3(-49.21,193.31) J1.26@-49.21,236.22 ; -49.21,294.29 J1.25@-49.21,341.54 ; v3(48.61,388.78) 48.91,388.48 48.91,341.84 J1.15@49.21,341.54 ; J1.12@88.58,236.22 v3(88.58,276.57) ; v3(108.27,192.32) J1.10@108.27,236.22 ; v3(126.97,182.09) 127.46,182.58 127.46,235.73 J1.08@127.95,236.22 ; R15.2@358.61,367.04 358.61,392.08 377.95,411.42 400.06,411.42 405.07,416.42 v3(407.2,416.42)
  Layer 6 w7.87: v3(-427.17,728.35) -425.28,726.46 -425.28,721.57 -415.25,711.54 C25.1@-415.25,705.97 ; C24.1@-172.55,1282.79 -166.98,1282.79 -159.94,1289.83 -155.05,1289.83 v3(-153.54,1291.34) -152.87,1291.34 -133.86,1310.35 C23.1@-133.18,1310.35 ; C31.1@-67.01,438.69 -49.75,455.95 -49.75,462.48 -59.28,472 -59.28,472.8 U4.26@-46.51,485.56 ; U4.19@130.03,569.08 130.33,569.08 166.48,532.93 C54.1@166.79,532.93 ; v3(356.3,535.43) 361.87,529.87 386.92,529.87 IC3.3@403.63,546.57 ; D6.2@360.51,374.34 362.47,374.34 389.17,401.04 391.82,401.04 v3(407.2,416.42) ; C37.2@372.63,1222.32 380.62,1230.32 v3(433.07,1230.32) ; C39.1@433.07,954.72 v3(461.97,954.72) 478.37,938.32 IC5.2@495.6,938.32 ; v3(580.24,1141.26) 580.24,1094.76 586.64,1088.35 C38.1@610.26,1088.35 ; IC6.3@735.93,635.47 757.57,635.47 759.92,633.12 769.43,633.12 C20.1@777.3,625.24
  other v1: -157.48,157.48 118.11,157.48 -334.64,275.59 -255.9,275.59 255.91,275.59 -984.25,314.96 -944.88,314.96 -905.51,314.96 -866.14,314.96 -826.77,314.96 -787.4,314.96 -748.03,314.96 -511.81,314.96 944.88,314.96 -964.57,354.33 -925.2,354.33 -885.82,354.33 -846.45,354.33 -807.08,354.33 -767.71,354.33 -728.34,354.33 -570.86,354.33 -531.49,354.33 -452.75,354.33 -413.38,354.33 1003.94,354.33 -984.25,393.7 -944.88,393.7 -905.51,393.7 -787.4,393.7 -748.03,393.7 -708.66,393.7 -669.29,393.7 -629.92,393.7 -590.55,393.7 -551.18,393.7 -846.45,433.07 -807.08,433.07 -767.71,433.07 -728.34,433.07 -688.97,433.07 -570.86,433.07 1003.94,433.07 -866.14,472.44 -826.77,472.44 -787.4,472.44 -748.03,472.44 -708.66,472.44 -669.29,472.44 -551.18,472.44 -885.82,511.81 -846.45,511.81 -807.08,511.81 -767.71,511.81 -728.34,511.81 -649.6,511.81 -334.64,511.81 925.2,511.81 964.57,511.81 1003.94,511.81 -866.14,551.18 -826.77,551.18 -787.4,551.18 -748.03,551.18 -708.66,551.18 -669.29,551.18 -629.92,551.18 -314.96,551.18 944.88,551.18 984.25,551.18 -846.45,590.55 -807.08,590.55 -767.71,590.55 -728.34,590.55 -688.97,590.55 -649.6,590.55 -295.27,590.55 -787.4,629.92 -748.03,629.92 -629.92,629.92 944.88,629.92 984.25,629.92 -767.71,669.29 925.2,669.29 964.57,669.29 1003.94,669.29 -984.25,708.66 -944.88,708.66 -511.81,708.66 748.03,708.66 944.88,708.66 984.25,708.66 -964.57,748.03 -531.49,748.03 19.69,748.03 59.06,748.03 255.91,748.03 925.2,748.03 964.57,748.03 1003.94,748.03 -984.25,787.4 -944.88,787.4 -78.74,787.4 -39.37,787.4 39.37,787.4 236.22,787.4 275.59,787.4 787.4,787.4 905.51,787.4 944.88,787.4 984.25,787.4 -964.57,826.77 -807.08,826.77 -688.97,826.77 -649.6,826.77 -610.23,826.77 -98.42,826.77 -59.05,826.77 -19.68,826.77 19.69,826.77 688.98,826.77 846.46,826.77 885.83,826.77 -748.03,866.14 -629.92,866.14 -590.55,866.14 -551.18,866.14 -196.85,866.14 -157.48,866.14 -78.74,866.14 -39.37,866.14 0,866.14 39.37,866.14 118.11,866.14 157.48,866.14 196.85,866.14 236.22,866.14 275.59,866.14 826.77,866.14 866.14,866.14 905.51,866.14 944.88,866.14 984.25,866.14 -688.97,905.51 -649.6,905.51 -216.53,905.51 -137.79,905.51 216.54,905.51 767.72,905.51 807.09,905.51 846.46,905.51 885.83,905.51 925.2,905.51 -984.25,944.88 -944.88,944.88 -551.18,944.88 -196.85,944.88 -157.48,944.88 -118.11,944.88 -78.74,944.88 -39.37,944.88 0,944.88 39.37,944.88 118.11,944.88 157.48,944.88 629.92,944.88 -964.57,984.25 -137.79,984.25 -98.42,984.25 -59.05,984.25 -19.68,984.25 19.69,984.25 59.06,984.25 137.8,984.25 177.17,984.25 925.2,984.25 964.57,984.25 1003.94,984.25 -984.25,1023.62 -944.88,1023.62 -433.07,1023.62 -196.85,1023.62 -157.48,1023.62 -118.11,1023.62 -78.74,1023.62 -39.37,1023.62 0,1023.62 39.37,1023.62 118.11,1023.62 157.48,1023.62 944.88,1023.62 984.25,1023.62 -964.57,1062.99 -295.27,1062.99 -177.16,1062.99 -137.79,1062.99 -98.42,1062.99 -59.05,1062.99 -19.68,1062.99 19.69,1062.99 98.43,1062.99 137.8,1062.99 295.28,1062.99 925.2,1062.99 964.57,1062.99 1003.94,1062.99 -984.25,1102.36 -944.88,1102.36 -118.11,1102.36 -78.74,1102.36 -39.37,1102.36 78.74,1102.36 472.44,1102.36 984.25,1102.36 -964.57,1141.73 -492.12,1141.73 -452.75,1141.73 -216.53,1141.73 -98.42,1141.73 -59.05,1141.73 492.13,1141.73 964.57,1141.73 1003.94,1141.73 -667.84,1180.17 -984.25,1181.1 -944.88,1181.1 -472.44,1181.1 -433.07,1181.1 -275.59,1181.1 39.37,1181.1 984.25,1181.1 -925.2,1220.47 492.13,1220.47 531.5,1220.47 846.46,1220.47 885.83,1220.47 925.2,1220.47 -905.51,1259.84 -866.14,1259.84 -826.77,1259.84 0,1259.84 118.11,1259.84 433.07,1259.84 472.44,1259.84 669.29,1259.84 787.4,1259.84 826.77,1259.84 866.14,1259.84 905.51,1259.84 -846.45,1299.21 -807.08,1299.21 -19.68,1299.21 19.69,1299.21 59.06,1299.21 177.17,1299.21 216.54,1299.21 255.91,1299.21 531.5,1299.21 570.87,1299.21 649.61,1299.21 688.98,1299.21 728.35,1299.21 767.72,1299.21 807.09,1299.21 846.46,1299.21 -826.77,1338.58 -787.4,1338.58 -748.03,1338.58 -708.66,1338.58 -669.29,1338.58 -629.92,1338.58 -590.55,1338.58 -551.18,1338.58 -511.81,1338.58 -236.22,1338.58 -196.85,1338.58 -39.37,1338.58 0,1338.58 39.37,1338.58 314.96,1338.58 590.55,1338.58 629.92,1338.58 669.29,1338.58 708.66,1338.58 748.03,1338.58 787.4,1338.58 826.77,1338.58 -807.08,1377.95 -767.71,1377.95 -728.34,1377.95 -688.97,1377.95 -531.49,1377.95 -492.12,1377.95 -137.79,1377.95 -59.05,1377.95 -19.68,1377.95 19.69,1377.95 334.65,1377.95 374.02,1377.95 413.39,1377.95 452.76,1377.95 492.13,1377.95 531.5,1377.95 570.87,1377.95 728.35,1377.95 767.72,1377.95 807.09,1377.95 -826.77,1417.32 -787.4,1417.32 -748.03,1417.32 -708.66,1417.32 -669.29,1417.32 -551.18,1417.32 -511.81,1417.32 -472.44,1417.32 -433.07,1417.32 -393.7,1417.32 -354.33,1417.32 -314.96,1417.32 -275.59,1417.32 -236.22,1417.32 -196.85,1417.32 -157.48,1417.32 -118.11,1417.32 196.85,1417.32 314.96,1417.32 354.33,1417.32 393.7,1417.32 433.07,1417.32 472.44,1417.32 511.81,1417.32 551.18,1417.32 590.55,1417.32 708.66,1417.32 748.03,1417.32 787.4,1417.32 826.77,1417.32
  other v3: -71.85,146.65 250.98,227.36 -251.97,228.35 699.46,329.21 292.32,353.35 -291.34,354.33 961.81,374.02 662.43,379.94 -842.52,401.57 -54.13,429.13 -645.67,452.76 649.61,464.57 962.6,475.39 -688.98,511.81 598.03,518.9 506.89,519.69 882.65,536.45 326.77,548.23 -340.55,579.37 -610.66,590.35 321.85,612.2 348.43,621.06 681.1,624.02 748.03,628.94 619.77,639.62 -659.84,649.61 468.5,665.35 401.08,705.16 540.35,739.17 568.9,739.17 600.39,739.17 -462.1,750.6 504.36,792.99 732.79,805.23 -310.04,825.79 -466.54,843.5 -521.65,845.47 -730.68,905.46 -628.94,927.17 -648.03,976.38 -524.61,1051.18 925.19,1102.36 925.19,1122.05 925.19,1151.57 -523.62,1152.56 925.19,1171.26 204.72,1275.59 287.4,1326.77 287.4,1397.64
HALL_SPI_CLK: FL3.1 TP1.1 U4.52 | length 820.7
  Layer 4 w7.87: v3(-403.47,658.66) -383.57,678.56 -383.57,984.94 -396.59,997.97 -396.59,1000.71 v3(-398.48,1002.6)
  Layer 2 w7.87: TP1.1@-576.01,521.48 -503.2,594.29 -405.71,594.29 -353.89,646.11 -353.89,652.63 -359.93,658.66 v3(-403.47,658.66)
  Layer 6 w7.87: v3(-398.48,1002.6) v3@-396.65,1002.6 ; FL3.1@-381.78,1045.16 -381.78,1028.46 -396.59,1013.65 -396.59,1002.66 v3@-396.65,1002.6 ; U4.52@-375,932.09 -396.59,953.68 -396.59,1002.54 v3@-396.65,1002.6
HALL_SPI_CLK_S: FL3.3 J1.19 J1.20 U3.1 | length 1570.9
  Layer 1 w7.87: v3(3.94,283.46) 3.94,280.8 8.78,275.96 8.78,237.28 J1.20@9.84,236.22 ; J1.19@9.84,341.54 v3(9.84,388.78)
  Layer 4 w7.87: v3(-459.65,1117.13) -385.38,1042.86 -283.02,1042.86 -253.67,1013.51 -253.67,1007.61 v3(-222.44,976.38) ; v3(-293.31,876.97) -191.66,775.32 -191.66,716.87 -95.98,621.19 -95.98,545.8 9.84,439.97 9.84,292.03 3.94,286.13 v3(3.94,283.46)
  Layer 2 w7.87: v3(-293.31,876.97) -293.31,903.54 -288.62,908.23 -261.06,908.23 -220.47,948.82 -220.47,956.69 -220.56,956.78 -220.56,974.49 v3(-222.44,976.38)
  Layer 6 w7.87: v3(3.94,283.46) 19.07,268.33 32.4,268.33 40.64,276.58 58.03,276.58 74.76,259.84 118.15,259.84 142.6,284.29 216.02,284.29 248.37,251.94 U3.1@270.74,251.94
HALL_SPI_MISO: FL5.1 U4.53 | length 182.8
  Layer 6 w7.87: U4.53@-352.74,940.49 -365.82,953.58 -365.82,963.91 -366.14,964.23 -366.14,1003.67 -325.51,1044.31 -325.51,1095.75 FL5.1@-321.85,1099.41
HSE_IN: C32.1 U4.12 Y1.1 | length 180.3
  Layer 1 w7.87: Y1.1@236.22,539.37 236.22,543.31 283.69,590.78 286.11,590.78 293.98,598.65 C32.1@293.98,599.44 293.98,600.23 252.48,641.73 v3(251.97,641.73)
  Layer 6 w7.87: U4.12@227.47,666.51 227.47,666.38 251.97,641.87 v3(251.97,641.73)
HSE_OUT: C33.1 U4.13 Y1.3 | length 377.6
  Layer 1 w7.87: Y1.3@299.21,452.76 305.41,446.55 C33.1@355.35,446.55
  Layer 4 w7.87: v3(248.04,619.12) 248.04,618.41 271.87,594.59 271.87,466.32 304.13,434.06 v3(366.41,434.06)
  Layer 6 w7.87: U4.13@213.55,652.6 214.06,652.6 247.53,619.12 v3(248.04,619.12)
I2C1_SCK: J4.1 R27.1 U4.92 | length 1463.1
  Layer 2 w7.87: v3(-815.94,658.46) -816.97,659.49 -816.97,710.71 -748.78,778.89 -482.25,778.89 -481.61,779.53 -216.54,779.53 -70.87,925.2 169.29,925.2 234.25,990.16 v3(234.25,992.13)
  Layer 6 w7.87: J4.1@-855.32,654.53 -851.38,658.46 v3(-815.94,658.46) -815.94,660.13 -785.34,690.73 R27.1@-677.94,690.73 ; v3(234.25,992.13) 235.76,993.63 238.85,993.63 U4.92@269.22,1024.01
I2C1_SDA: J4.2 R28.1 U4.93 | length 1402.1
  Layer 2 w7.87: v3(-800.24,703.77) -800.16,703.77 -736.86,767.08 -470.1,767.08 -469.46,767.72 -202.7,767.72 -63.92,906.5 178.15,906.5 v3(232.28,960.63)
  Layer 6 w7.87: J4.2@-855.28,703.77 v3(-800.24,703.77) -718.9,703.74 -681.79,740.85 R28.1@-678.84,740.85 ; v3(232.28,960.63) 232.98,960.63 282.44,1010.09 U4.93@283.14,1010.09
IU+: R24.1 U4.22 | length 223.7
  Layer 2 w7.87: v3(110.24,507.87) 111.07,508.71 122.88,508.71 165.35,551.18 165.35,605.12 166.14,605.91 166.14,629.55 165.35,630.33 165.35,635.13 141.73,658.75 v3(141.73,661.42)
  Layer 6 w7.87: U4.22@88.27,527.32 89.07,527.32 108.51,507.87 v3(110.24,507.87)
IU-: R31.1 U4.23 | length 291.3
  Layer 2 w7.87: v3(103.35,474.41) 101.46,476.29 101.46,492.98 93.5,500.94 93.5,514.8 153.54,574.84 153.54,610.02 154.33,610.8 154.33,624.66 144.52,634.46 119.89,634.46 v3(104.13,618.7)
  Layer 6 w7.87: U4.23@74.35,513.4 101.46,486.29 101.46,476.29 v3(103.35,474.41)
IV+: R30.2 U4.32 | length 112.3
  Layer 2 w7.87: v3(-147.91,554.58) -146.21,554.58 -126.46,574.33 v3(-43.82,574.33)
IV-: R23.2 U4.33 | length 44.2
  Layer 1 w7.87: v3(-124.53,599.68) -121.86,599.68 -113.55,607.99 -86.72,607.99 R23.2@-84.63,610.08
IW+: R33.2 U4.34 | length 41.7
  Layer 1 w7.87: v3(-141.46,613.17) -141.46,615.83 -121.69,635.61 R33.2@-121.69,646.7